# KiCad board USB Cable Tester.kicad_pcb
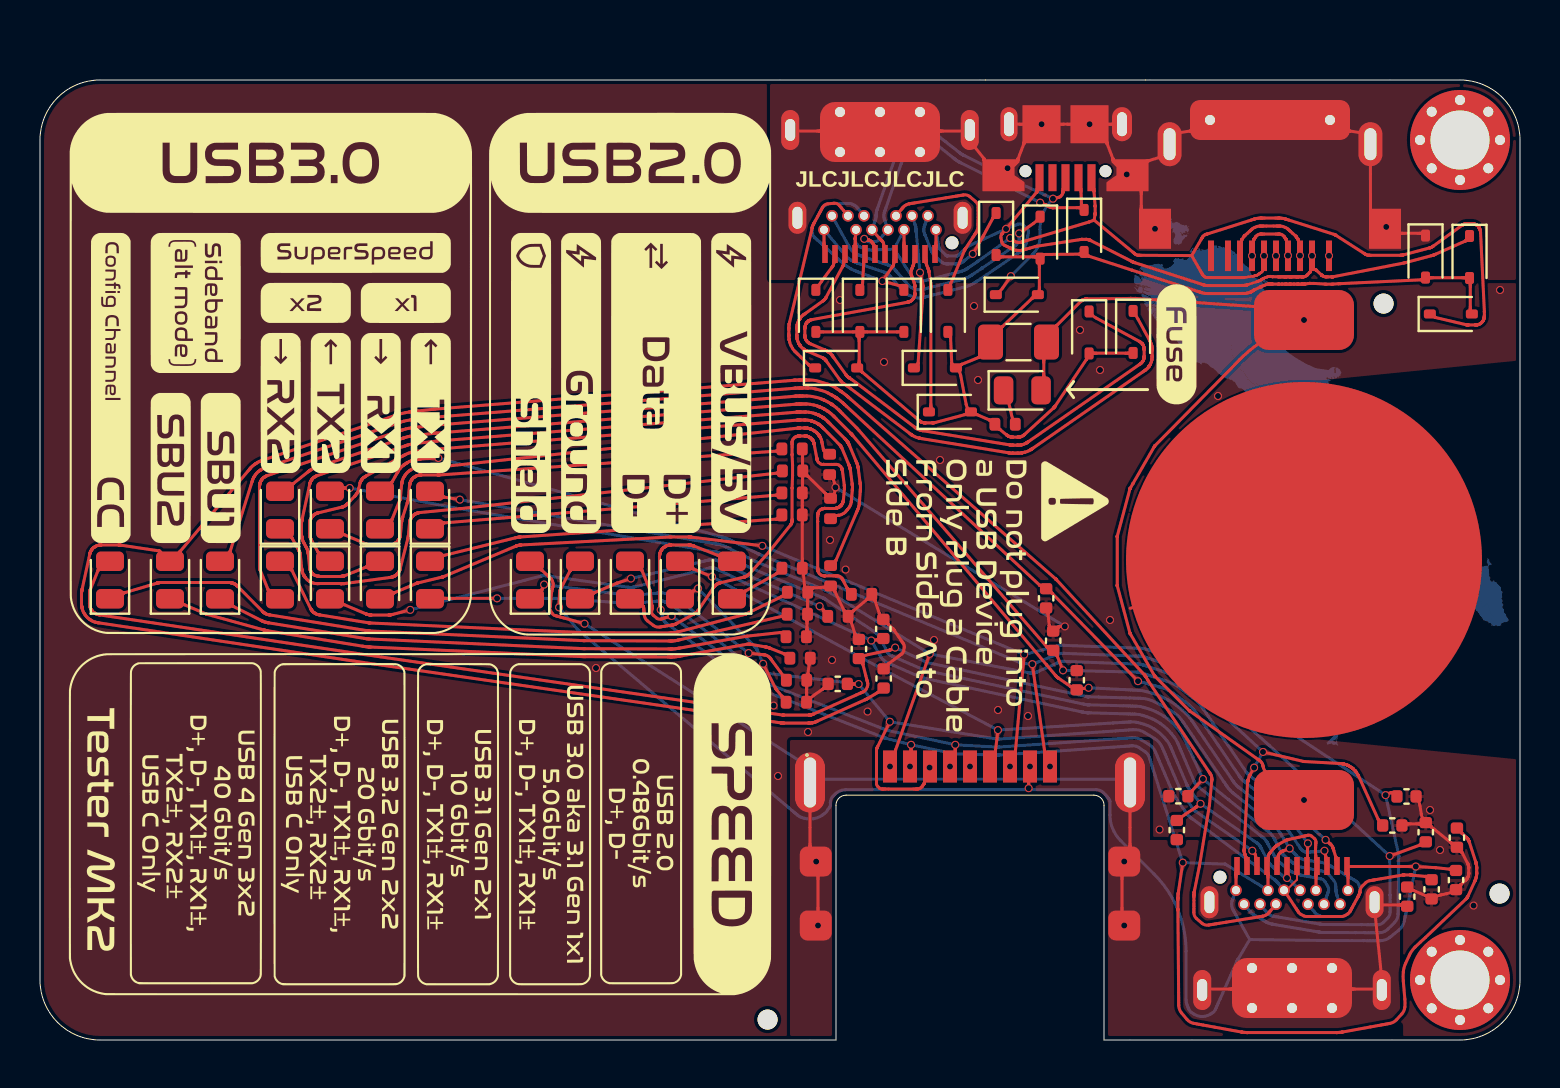
[diagram p0: board, top side]
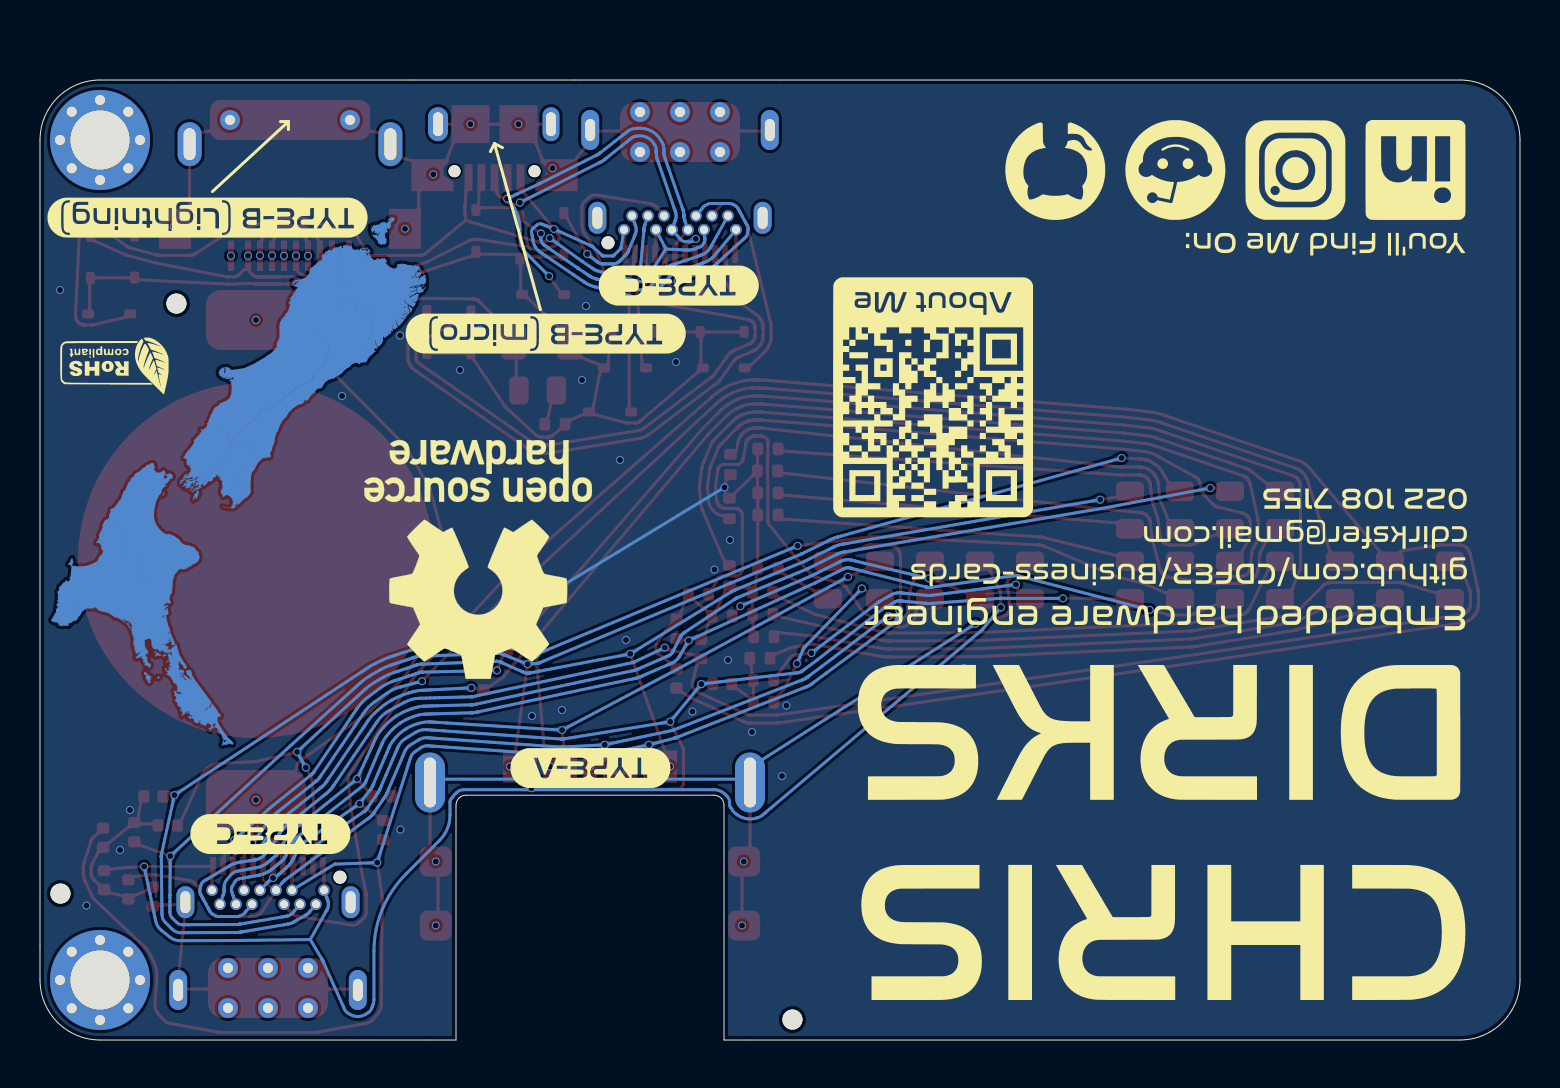
[diagram p1: board, bottom side, seen from below]

Outline 74 x 48 mm; copper layers: Top, Bottom. Coordinates in mm from the lower left corner of the outline.
Outline path: 37,48 3,48 arc(0.88,47.12) 0,45 0,3 arc(0.88,0.88) 3,0 38.5,0 ; 47,48 47.27,48 ; 54.5,0 57.6,0 ; 55.27,48 55.5,48 ; 67.5,48 71,48 arc(73.12,47.12) 74,45 74,3 arc(73.12,0.88) 71,0 67.6,0
Stack: Top 0.035mm / dielectric 0.9mm FR4 er 4.5 / Bottom 0.035mm

## Placement (name value [footprint] x y rotation side)
C6  2uF  [C_0402]  70.85 10.12 270 top
C7  2uF  [C_0402]  70.8 8 270 top
C8  2uF  [C_0402]  68.36 7.17 90 top
C9  2uF  [C_0402]  40.95 19.55 90 top
C10  2uF  [C_0402]  50.31 22.08 270 top
C11  2uF  [C_0402]  42.18 18.08 90 top
C12  2uF  [C_0402]  56.84 10.5 270 top
C13  2uF  [C_0402]  69.58 7.53 270 top
C14  2uF  [C_0402]  67.62 10.73 0 top
C15  2uF  [C_0402]  39.89 17.81 180 top
C16  2uF  [C_0402]  68.32 12.18 0 top
C17  2uF  [C_0402]  69.29 10.39 90 top
C18  2uF  [C_0402]  56.92 12.19 180 top
C19  2uF  [C_0402]  42.17 20.55 90 top
C20  2uF  [C_0402]  50.66 19.96 90 top
C21  2uF  [C_0402]  51.84 17.99 90 top
D1  RB501V-40  [D_SOD-323]  40.99 36.45 270 top
D2  Red  [D_0805]  49.12 32.48 0 top
D5  RB501V-40  [D_SOD-323]  50.01 40.12 270 top
D6  RB501V-40  [D_SOD-323]  47.81 40.3 270 top
D7  RB501V-40  [D_SOD-323]  45.4 36.45 270 top
D9  RB501V-40  [D_SOD-323]  71.48 39.15 270 top
D12  RB501V-40  [D_SOD-323]  38.79 36.45 270 top
D15  RB501V-40  [D_SOD-323]  48.84 37.27 0 top
D17  RB501V-40  [D_SOD-323]  39.81 33.6 0 top
D19  RB501V-40  [D_SOD-323]  70.54 36.3 0 top
D20  RB501V-40  [D_SOD-323]  54.66 35.4 270 top
D21  RB501V-40  [D_SOD-323]  52.46 35.38 270 top
D22  RB501V-40  [D_SOD-323]  45.5 31.41 0 top
D24  Red  [D_0805]  34.6 23 90 top
D25  RB501V-40  [D_SOD-323]  43.19 36.45 270 top
D26  RB501V-40  [D_SOD-323]  69.28 39.17 270 top
D28  RB501V-40  [D_SOD-323]  52.21 40.45 270 top
D29  RB501V-40  [D_SOD-323]  44.75 33.61 0 top
D31  Red  [D_0805]  27 23 90 top
D39  White  [D_0805]  24.5 23 90 top
D40  Red  [D_0805]  3.5 23 90 top
D41  White  [D_0805]  9 23 90 top
D42  White  [D_0805]  6.5 23 90 top
D43  Green  [D_0805]  32 23 90 top
D44  Yellow  [D_0805]  29.5 23 90 top
D45  Green  [D_0805]  19.5 26.5 90 top
D46  Yellow  [D_0805]  19.5 23 270 top
D47  Green  [D_0805]  17 23 270 top
D48  Yellow  [D_0805]  17 26.5 90 top
D49  Green  [D_0805]  14.5 26.5 90 top
D50  Yellow  [D_0805]  14.5 23 270 top
D51  Green  [D_0805]  12 23 270 top
D52  Yellow  [D_0805]  12 26.5 90 top
F1  1.5A Resettable Fuse  [Fuse_1206_3216Metric]  48.93 34.9 0 top
G1  -  [LOGO]  19 24.3 270 top
G2  -  [OSHW-Logo_11.4x12mm_SilkScreen]  52.08 24.02 0 bottom
G3  -  [LOGO]  19.24 24.01 0 bottom
G4  -  [2a925c6f-9d9a-42e5-bba3-c87bcf934251]  72.73 34.93 0 bottom
G5  -  [b07aad6b-b7a4-475e-a623-7c3f2d34af4c]  2.37 4.5 270 top
G20  -  [22d49237-69b2-421c-99c5-7deab8221adf]  45.31 15.46 270 top
G21  -  [bcdcddea-b07c-4985-b864-8dc9c7d82305]  44.41 14.6 0 bottom
G22  -  [9633b3a9-74f7-481d-bf34-9e0c72efc044]  44.98 38.72 0 bottom
G22#2  -  [9633b3a9-74f7-481d-bf34-9e0c72efc044]  65.39 11.3 0 bottom
G25  -  [6e272f88-845d-48b4-9e51-cf3601c89978]  55.59 35.81 0 bottom
G26  -  [3201b061-3758-42df-b4cc-fb8b185e5636]  73.49 41.63 0 bottom
G***  -  [LOGO]  52.18 46.21 270 top
H1  ~  [Hole_Tooling_JLCPCB]  67.18 36.82 0 top
H2  ~  [Hole_Tooling_JLCPCB]  72.98 7.32 0 top
H3  ~  [Hole, 3mm]  71 45 0 top
H4  ~  [Hole, 3mm]  71 3 0 top
H5  ~  [Hole_Tooling_JLCPCB]  36.38 1.02 0 top
J1  USB3_A  [USB-A-SMD_HC-USB3.0-C225-P]  46.5 9.7 0 top
J2  USB_C_Receptacle  [TYPE-C-USB-SMD_QCHT-143]  62.6 5.6 0 top
J3  USB_B_Micro  [USB_Micro-B_XKB_U254-051T-4BH83-F1S]  51.27 45.4 180 top
J4  USB_C_Receptacle  [TYPE-C-USB-SMD_QCHT-143]  42 42.4 180 top
J5  Apple Lightning  [USB-SMD-LIGHTNING_USB-PG]  61.5 42 180 top
NOREF  -  [780ad566-1930-4549-94c7-eea7819adb12]  50.17 24.95 270 top
PN1  ~  [Part_Num_JLCPCB]  4.15 31.23 180 top
R1  1.5kΩ  [R_0402]  48.26 30.79 180 top
R22  1.5kΩ  [R_0402]  37.6 23.59 0 top
R23  1.5kΩ  [R_0402]  39.9 21.18 0 top
R24  680Ω  [R_0402]  37.83 17.99 0 top
R25  1.5kΩ  [R_0402]  37.87 21.29 0 top
R26  680Ω  [R_0402]  37.81 20.16 0 top
R27  680Ω  [R_0402]  38.01 19.09 0 top
R28  2.7kΩ  [R_0402]  37.82 16.89 0 top
R29  1.5kΩ  [R_0402]  41.08 22.28 0 top
R30  2.7kΩ  [R_0402]  37.6 27.35 0 top
R31  1.5kΩ  [R_0402]  37.6 26.25 0 top
R32  2.7kΩ  [R_0402]  39.53 23.21 270 top
R33  1.5kΩ  [R_0402]  39.48 28.78 270 top
R34  2.7kΩ  [R_0402]  37.6 29.55 0 top
R35  1.5kΩ  [R_0402]  39.53 26.57 90 top
R36  2.7kΩ  [R_0402]  37.88 22.39 0 top
R37  1.5kΩ  [R_0402]  37.63 28.45 0 top
U1  CR2032  [BatteryHolder_Keystone_3002_1x2032]  63.2 24 270 top

## Library data of the parts
C6-C21 = -: Datasheet: https://datasheet.lcsc.com/lcsc/1811021410_Samsung-Electro-Mechanics-CL05A225MQ5NSNC_C12530.pdf; Description: 6.3V 2.2uF X5R ±20% 0402 Multilayer Ceramic Capacitors MLCC - SMD/SMT ROHS; LCSC: C12530; Price: 0.005USD; Class: Basic Component; Stock: 2477905; Category: Capacitors,Multilayer Ceramic Capacitors MLCC - SMD/SMT; Manufacturer: Samsung Electro-Mechanics; Manufacturer Part ID: CL05A225MQ5NSNC; Voltage Rated: 6.3V; Tolerance: ±20%; Capacitance: 2.2uF; Temperature Coefficient: X5R; ki_fp_filters: C_*
D1 D5-D7 D9 D12 D15 D17 D19-D22 D25 D26 D28 D29 = -: Description: Diode; Sim.Device: D; Sim.Pins: 1=K 2=A; LCSC: C7502717; ki_fp_filters: TO-???* *_Diode_* *SingleDiode* D_*
D2 D24 D31 D40 = -: Datasheet: https://datasheet.lcsc.com/lcsc/2304140030_Foshan-NationStar-Optoelectronics-NCD0805R1_C84256.pdf; Description: 25mA Colorless transparent lens 67mcd~195mcd -30°C~+85°C 615nm~630nm Individual diode Red 130° 65mW 1.6V~2.6V 0805 LED Indication - Discrete ROHS; LCSC: C84256; Price: 0.014USD; Class: Basic Component; Stock: 1030643; Category: Optoelectronics,Light Emitting Diodes (LED); Manufacturer: Foshan NationStar Optoelectronics; Manufacturer Part ID: NCD0805R1; Operating Temperature: -; Color Temperature: -; Viewing Angle: -; Luminous Flux (@25°C): -; Lamp Holder Type: -; Forward Current: -; Forward Voltage (VF): -; Mounting Sytle: -; Luminous Intensity: -; Dominant Wavelength: -; Power Dissipation: -; Diode Configuration: -; Lens Color: -; Peak Wavelength: -; ki_fp_filters: D_*
D39 D41 D42 = -: Datasheet: https://www.lcsc.com/datasheet/lcsc_datasheet_2305091500_Hubei-KENTO-Elec-KT-0805W_C34499.pdf; Description: 0805 LED Indication - Discrete ROHS; LCSC: C34499; Price: 0.018USD; Class: Basic Component; Stock: 202174; Category: Optocouplers & LEDs & Infrared,Light Emitting Diodes (LED); Manufacturer: Hubei KENTO Elec; Manufacturer Part ID: KT-0805W; ki_fp_filters: D_*
D43 D45 D47 D49 D51 = -: Datasheet: https://www.lcsc.com/datasheet/lcsc_datasheet_1806151820_Hubei-KENTO-Elec-KT-0805G_C2297.pdf; Description: Emerald 0805 LED Indication - Discrete ROHS; LCSC: C2297; Price: 0.013USD; Class: Basic Component; Stock: 1147191; Category: Optoelectronics,Light Emitting Diodes (LED); Manufacturer: Hubei KENTO Elec; Manufacturer Part ID: KT-0805G; ki_fp_filters: D_*
D44 D46 D48 D50 D52 = -: Datasheet: https://www.lcsc.com/datasheet/lcsc_datasheet_1806151129_Hubei-KENTO-Elec-KT-0805Y_C2296.pdf; Description: Yellow 0805 LED Indication - Discrete ROHS; LCSC: C2296; Price: 0.015USD; Class: Basic Component; Stock: 207467; Category: Optocouplers & LEDs & Infrared,Light Emitting Diodes (LED); Manufacturer: Hubei KENTO Elec; Manufacturer Part ID: KT-0805Y; ki_fp_filters: D_*
F1 = -: Description: Resettable fuse, polymeric positive temperature coefficient; LCSC: C2838983; ki_fp_filters: *polyfuse* *PTC*
H1 H2 H5 = -: Datasheet: https://jlcpcb.com/help/article/How-to-add-tooling-holes-for-PCB-assembly-order; Description: 1. Two or three tooling holes should be added on the PCB, they should be placed in opposite corners of the PCB and as far apart from one another as practical. 2. Tooling holes should be 1.152mm(45.4mil) round non-plated holes with 0.148mm solder mask expansion. 3. Tooling holes are only required for PCB assembly orders. 4. Please try to add tooling holes on empty space and keep them away from traces. If there is no enough room, you can add them to the copper area.
J1 = -: Description: USB 3.0 A connector; LCSC: C7501855; Field5: REF**; ki_fp_filters: USB3*
J2 J4 = -: Datasheet: https://www.usb.org/sites/default/files/documents/usb_type-c.zip; Description: USB Full-Featured Type-C Receptacle connector; LCSC: C5156604; Field5: REF**; ki_fp_filters: USB*C*Receptacle*
J3 = -: Description: USB Micro Type B connector; LCSC: C2682231; ki_fp_filters: USB*
J5 = -: Datasheet: https://atta.szlcsc.com/upload/public/pdf/source/20230628/688D1841E9832D0F7C437B07FF9E6382.pdf; LCSC: C2858295; Field5: REF**
PN1 = -: Datasheet: https://jlcpcb.com/help/article/How-to-remove-order-number-from-your-PCB; Description: To indicate the location, simply add the text "JLCJLCJLCJLC" to the silk layer and select the "Specify a location" option when placing your order. Please note that if this option is not chosen, we may not notice that you have added the text.   Note: Use only "JLCJLCJLCJLC" without any additional characters. The font size should be larger than 0.8mm in height and 0.15mm in width.
R1 R22 R23 R25 R29 R31 R33 R35 R37 = -: LCSC: C25867; Price: 0.004USD; Class: Basic Component; ki_fp_filters: R_*
R24 R26 R27 = -: LCSC: C25130; Price: 0.004USD; Class: Basic Component; ki_fp_filters: R_*
R28 R30 R32 R34 R36 = -: LCSC: C3017488; Price: 0.004USD; Class: Basic Component; ki_fp_filters: R_*
U1 = -: Datasheet: https://item.szlcsc.com/71468.html; LCSC: C70373; Field6: REF**

## Footprints (pads in the part's own frame, mm; a bottom-side part is the same pattern mirrored in y, then rotated)
BatteryHolder_Keystone_3002_1x2032
  rrect 3x5 smd: 1(-12,0) 1(12,0)
  round 17.8 smd: 2(0,0)
C_0402
  rrect 0.56x0.62 smd: 1(-0.48,0) 2(0.48,0)
D_0805
  rrect 0.975x1.4 smd: 1(-0.938,0) 2(0.938,0)
D_SOD-323
  rrect 0.6x0.45 smd: 1(-1.05,0) 2(1.05,0)
Fuse_1206_3216Metric
  rrect 1.25x1.75 smd: 1(-1.4,0) 2(1.4,0)
Hole, 3mm
  round 0.6 hole 0.5: 1(-2,0) 1(-1.414,1.414) 1(-1.414,-1.414) 1(0,2) 1(0,-2) 1(1.414,1.414) 1(1.414,-1.414) 1(2,0)
  round 5 hole 2.95: 1(0,0)
Hole_Tooling_JLCPCB
  round 1 hole 1.152 unplated: (0,0)
R_0402
  rrect 0.54x0.64 smd: 1(-0.51,0) 2(0.51,0)
TYPE-C-USB-SMD_QCHT-143
  round 0.65 hole 0.65 unplated: (-3.6,2.54)
  rect 0.28x0.9 smd: A1(-2.75,3.1) A2(-2.25,3.1) A3(-1.75,3.1) A4(-1.25,3.1) A5(-0.75,3.1) A6(-0.25,3.1) A7(0.25,3.1) A8(0.75,3.1) A9(1.25,3.1) A10(1.75,3.1) A11(2.25,3.1) A12(2.75,3.1)
  round 0.58 hole 0.4: B1(2.8,1.89) B2(2.4,1.19) B3(1.6,1.19) B4(1.2,1.89) B5(0.8,1.19) B6(0.4,1.89) B7(-0.4,1.89) B8(-0.8,1.19) B9(-1.2,1.89) B10(-1.6,1.19) B11(-2.4,1.19) B12(-2.8,1.89)
  oval 0.9x2 hole 0.5x1.1: S1(-4.49,-3.1) S1(4.49,-3.1)
  oval 0.9x1.6 hole 0.5x1.1: S1(-4.13,1.29) S1(4.13,1.29)
  round 1 hole 0.5: S1(-2,-2) S1(-2,-4) S1(0,-2) S1(0,-4) S1(2,-2) S1(2,-4)
  rrect 6x3 smd: S1(0,-3)
USB-A-SMD_HC-USB3.0-C225-P
  rect 0.7x1.6 smd: 1(-3,3.975) 2(-1,3.975) 3(1,3.975) 4(3,3.975) 5(4,3.975) 6(2,3.975) 7(0,3.975) 8(-2,3.975) 9(-4,3.975)
  oval 1.5x3 hole 0.61x2.5: 10(-8,3.175) 10(8,3.175)
  rrect 1.6x1.5 smd: 10(-7.71,-0.775) 10(-7.71,-3.975) 10(7.71,-0.775) 10(7.71,-3.975)
USB-SMD-LIGHTNING_USB-PG
  rect 0.3x1.524 smd: 1(-2.95,2.79) 2(-2.1,2.79) 3(-1.5,2.79) 4(-0.9,2.79) 5(-0.3,2.79) 6(0.3,2.79) 7(0.9,2.79) 8(1.5,2.79) 9(2.1,2.79) 10(2.95,2.79)
  rect 1.6x2 smd: 11(-5.75,1.44) 12(5.75,1.44)
  round 1 hole 0.5: 13(-3,-4) 13(3,-4)
  rrect 8x2 smd: 13(0,-4)
  oval 1.2x2.2 hole 0.6x1.6: 13(5.02,-2.79) 14(-5.02,-2.79)
USB_Micro-B_XKB_U254-051T-4BH83-F1S
  round 0.6 hole 0.6 unplated: (-2,1.96) (2,1.96)
  rect 0.4x1.35 smd: 1(-1.3,2.285) 2(-0.65,2.285) 3(0,2.285) 4(0.65,2.285) 5(1.3,2.285)
  custom 2.1x1.6 smd: 6(-3.1,2.16) 6(3.1,2.16)
  oval 1x1.7 hole 0.5x1.2: 6(-2.825,-0.39)
  rect 1.9x1.9 smd: 6(-1.2,-0.39) 6(1.2,-0.39)
  oval 0.85x1.7 hole 0.5x1.2: 6(2.825,-0.39)

## Nets
+3V0: D1.2 D5.2 D6.2 D7.2 D9.2 D12.2 D15.2 D17.2 D19.2 D20.2 D21.2 D22.2 D25.2 D26.2 D28.2 D29.2 F1.1 R1.2
/VBUS: C6.1 D24.2 J1.1 J2.A4 J2.A9 J2.B4 J2.B9
GND: C6.2 C7.2 C8.2 C9.2 C10.2 C11.2 C12.2 C13.2 C14.2 C15.2 C16.2 C17.2 C18.2 C19.2 C20.2 C21.2 R22.2 R23.2 R24.2 R25.2 R26.2 R27.2 R28.2 R29.2 R30.2 R31.2 R32.2 R33.2 R34.2 R35.2 R36.2 R37.2 U1.2
/CC: C9.1 D40.2 J2.A5 J2.B5
/D+: C12.1 D43.2 J1.3 J2.A6 J2.B6
/D-: C13.1 D44.2 J1.2 J2.A7 J2.B7
/RX1+: C16.1 D47.2 J1.6 J2.B11
/RX1-: C17.1 D48.2 J1.5 J2.B10
/RX2+: C20.1 D51.2 J2.A11
/RX2-: C21.1 D52.2 J2.A10
/SBU1: C10.1 D41.2 J2.A8
/SBU2: C11.1 D42.2 J2.B8
/SHLD: C8.1 D39.2 J1.10 J2.S1
/TX1+: C14.1 D45.2 J1.9 J2.A2
/TX1-: C15.1 D46.2 J1.8 J2.A3
/TX2+: C18.1 D49.2 J2.B2
/TX2-: C19.1 D50.2 J2.B3
/USB_GND: C7.1 D31.2 J1.4 J2.A1 J2.A12 J2.B1 J2.B12
Net-(D1-K): D1.1 J4.A8
Net-(D2-Pad1): D2.1 R1.1
Net-(D2-Pad2): D2.2 F1.2 U1.1
Net-(D5-K): D5.1 J4.B2
Net-(D6-K): D6.1 J4.B11
Net-(D7-K): D7.1 J4.B8
Net-(D9-K): D9.1 J3.5 J4.A1 J4.A12 J4.B1 J4.B12 J5.2
Net-(D12-K): D12.1 J4.A11
Net-(D15-K): D15.1 J3.3 J4.A6 J4.B6
Net-(D17-K): D17.1 J4.B3
Net-(D19-K): D19.1 J3.1 J4.A4 J4.A9 J4.B4 J4.B9 J5.6
Net-(D20-K): D20.1 J4.A10
Net-(D21-K): D21.1 J4.A3
Net-(D22-K): D22.1 J4.A2
Net-(D24-Pad1): D24.1 R22.1
Net-(D25-K): D25.1 J4.A5 J4.B5
Net-(D26-K): D26.1 J3.6 J4.S1 J5.11 J5.12 J5.13 J5.14
Net-(D28-K): D28.1 J3.2 J4.A7 J4.B7
Net-(D29-K): D29.1 J4.B10
Net-(D31-Pad1): D31.1 R23.1
Net-(D39-Pad1): D39.1 R24.1
Net-(D40-Pad1): D40.1 R25.1
Net-(D41-Pad1): D41.1 R26.1
Net-(D42-Pad1): D42.1 R27.1
Net-(D43-Pad1): D43.1 R28.1
Net-(D44-Pad1): D44.1 R29.1
Net-(D45-Pad1): D45.1 R30.1
Net-(D46-Pad1): D46.1 R31.1
Net-(D47-Pad1): D47.1 R32.1
Net-(D48-Pad1): D48.1 R33.1
Net-(D49-Pad1): D49.1 R34.1
Net-(D50-Pad1): D50.1 R35.1
Net-(D51-Pad1): D51.1 R36.1
Net-(D52-Pad1): D52.1 R37.1
Net-(J5-DN1): J5.4 J5.7
Net-(J5-DP1): J5.3 J5.8

Pads without a net: H3 1; H4 1; J1 7; J3 4; J5 1 5 9 10

## Via types
v1: diameter 0.4, hole 0.3, Top to Bottom, 110 vias

## Routing (per net, layer and track width the routed paths; a pad name or vN(x,y) marks a point on that pad's centre or on a via; arc(x,y) is an arc through that point)
+3V0: length 61.3
  Top w0.15: D7.2 45.53,35.11 arc(45.53,35.11) 45.53,35.11 arc(45.53,35.11) 45.53,35.1 45.59,33.83 arc(45.59,33.83) 45.59,33.83 arc(45.59,33.83) 45.59,33.83 D29.2 ; D1.2 40.84,35.4 40.62,35.4 39.09,35.4 D12.2 ; D1.2 41.14,35.4 41.37,35.4 42.89,35.4 D25.2 ; D1.2 40.96,35.22 arc(40.96,35.18) 40.96,35.14 40.96,33.79 arc(40.95,33.76) 40.94,33.72 40.91,33.68 arc(40.89,33.61) 40.93,33.55 41.11,33.4 arc(41.11,33.4) 41.11,33.4 arc(41.11,33.4) 41.11,33.4 arc(41.11,33.4) 41.11,33.39 43.97,30.96 arc(43.98,30.96) 43.98,30.96 43.99,30.95 arc(43.99,30.95) 44,30.94 arc(44,30.94) 44,30.94 44.02,30.93 arc(44.02,30.93) 44.02,30.93 44.05,30.91 arc(44.06,30.9) 44.08,30.89 44.11,30.88 arc(44.12,30.88) 44.14,30.87 arc(44.15,30.87) 44.17,30.87 44.2,30.86 arc(44.21,30.86) 44.22,30.86 44.24,30.86 arc(44.24,30.85) 44.25,30.85 44.64,30.85 arc(44.65,30.85) 44.66,30.86 44.67,30.86 arc(44.68,30.86) 44.69,30.86 arc(44.7,30.86) 44.71,30.86 44.73,30.87 arc(44.74,30.87) 44.75,30.87 arc(44.76,30.87) 44.77,30.88 46.25,31.27 arc(46.25,31.27) 46.25,31.27 D22.2 ; D6.2 47.92,39.18 arc(47.96,39.16) 47.99,39.16 49.82,39.16 arc(49.85,39.15) 49.89,39.14 D5.2 ; D29.2 45.9,33.49 arc(45.98,33.37) 46.03,33.23 46.31,31.78 arc(46.36,31.64) 46.44,31.52 D22.2 ; D29.2 46.07,33.78 arc(46.07,33.78) 46.08,33.78 arc(46.08,33.78) 46.08,33.78 arc(46.08,33.78) 46.08,33.78 46.93,34.13 arc(46.94,34.13) 46.94,34.13 46.94,34.13 arc(46.94,34.13) 46.94,34.13 arc(46.95,34.14) 46.95,34.14 F1.1 48.1,35.66 arc(48.1,35.66) 48.11,35.66 arc(48.11,35.66) 48.11,35.66 48.11,35.66 arc(48.11,35.66) 48.11,35.67 49.61,37.09 arc(49.61,37.09) 49.61,37.09 arc(49.61,37.09) 49.61,37.09 arc(49.61,37.09) 49.61,37.09 49.82,37.22 arc(49.88,37.27) 49.93,37.34 49.95,37.38 arc(49.96,37.42) 49.97,37.45 49.97,38.8 arc(49.97,38.84) 49.97,38.88 D5.2 ; D22.2 46.84,31.27 arc(46.84,31.27) 46.84,31.27 46.85,31.27 arc(46.85,31.27) 46.85,31.27 47.47,31 arc(47.48,31) 47.48,31 47.48,31 arc(47.48,31) 47.48,31 47.61,30.89 arc(47.74,30.78) 47.86,30.66 47.99,30.53 arc(47.99,30.53) 47.99,30.53 arc(47.99,30.53) 47.99,30.53 48.33,30.26 arc(48.33,30.25) 48.33,30.25 arc(48.34,30.25) 48.34,30.25 48.34,30.24 arc(48.35,30.24) 48.35,30.24 arc(48.35,30.24) 48.36,30.23 48.38,30.22 arc(48.38,30.22) 48.38,30.22 48.41,30.2 arc(48.43,30.19) 48.44,30.18 48.47,30.17 arc(48.48,30.16) 48.5,30.16 arc(48.52,30.16) 48.53,30.15 48.58,30.15 arc(48.58,30.14) 48.59,30.14 48.61,30.14 arc(48.61,30.14) 48.62,30.14 48.91,30.14 arc(48.92,30.14) 48.92,30.14 48.94,30.14 arc(48.95,30.14) 48.96,30.15 49.03,30.16 arc(49.05,30.16) 49.06,30.17 49.09,30.18 arc(49.11,30.19) 49.12,30.2 arc(49.13,30.21) 49.15,30.22 49.17,30.23 arc(49.18,30.24) 49.18,30.24 arc(49.19,30.24) 49.19,30.25 49.2,30.25 arc(49.21,30.26) 49.21,30.26 49.23,30.28 50.7,31.62 arc(50.7,31.63) 50.71,31.63 50.72,31.65 arc(50.73,31.66) 50.74,31.66 50.76,31.7 52.32,34.02 arc(52.32,34.02) 52.32,34.03 52.32,34.03 arc(52.32,34.03) 52.32,34.03 52.42,34.26 arc(52.47,34.31) 52.53,34.33 52.57,34.34 arc(52.61,34.34) 52.64,34.34 54.47,34.34 arc(54.5,34.34) 54.54,34.34 D20.2 ; D5.2 50.23,39.28 arc(50.23,39.28) 50.23,39.28 arc(50.23,39.28) 50.23,39.28 51.98,39.29 52.02,39.29 arc(52.05,39.3) 52.08,39.31 52.13,39.35 arc(52.2,39.37) 52.27,39.34 52.43,39.2 arc(52.43,39.2) 52.43,39.2 54.6,38.49 arc(54.6,38.49) 54.6,38.49 arc(54.6,38.49) 54.61,38.49 57.89,37.43 58.1,37.36 arc(58.14,37.35) 58.18,37.34 58.27,37.33 arc(58.31,37.32) 58.36,37.32 59.84,37.32 arc(59.85,37.32) 59.86,37.32 arc(59.87,37.32) 59.88,37.32 60.26,37.33 arc(60.3,37.33) 60.34,37.34 60.41,37.35 arc(60.45,37.36) 60.49,37.38 60.52,37.39 arc(60.52,37.39) 60.53,37.39 arc(60.53,37.39) 60.53,37.4 60.54,37.4 arc(60.55,37.4) 60.56,37.41 60.57,37.42 arc(60.58,37.42) 60.59,37.43 60.67,37.48 arc(60.68,37.49) 60.68,37.49 arc(60.69,37.49) 60.69,37.5 60.7,37.5 arc(60.71,37.51) 60.72,37.51 61.03,37.65 arc(61.03,37.65) 61.03,37.66 arc(61.03,37.66) 61.03,37.66 61.04,37.66 arc(61.04,37.66) 61.04,37.66 arc(61.04,37.66) 61.05,37.66 61.05,37.66 arc(61.05,37.66) 61.05,37.67 61.07,37.67 arc(61.09,37.68) 61.11,37.69 61.19,37.72 arc(61.19,37.73) 61.2,37.73 arc(61.21,37.73) 61.21,37.73 61.33,37.78 arc(61.34,37.78) 61.36,37.79 arc(61.37,37.79) 61.38,37.79 61.41,37.8 arc(61.42,37.8) 61.43,37.8 61.51,37.8 arc(61.52,37.8) 61.52,37.8 arc(61.53,37.8) 61.53,37.8 61.54,37.8 arc(61.55,37.8) 61.56,37.8 61.57,37.8 arc(61.57,37.8) 61.57,37.8 61.58,37.8 arc(61.59,37.8) 61.6,37.8 61.61,37.8 arc(61.62,37.8) 61.63,37.8 arc(61.64,37.8) 61.65,37.8 61.91,37.79 arc(61.92,37.79) 61.92,37.79 61.94,37.79 arc(61.95,37.79) 61.96,37.79 arc(61.97,37.79) 61.98,37.79 62.08,37.8 arc(62.09,37.8) 62.1,37.8 arc(62.11,37.8) 62.12,37.8 62.22,37.79 arc(62.23,37.79) 62.24,37.79 arc(62.25,37.79) 62.27,37.79 62.28,37.79 arc(62.29,37.79) 62.29,37.79 arc(62.29,37.79) 62.29,37.79 62.32,37.79 arc(62.32,37.79) 62.32,37.79 62.48,37.79 arc(62.48,37.79) 62.48,37.79 62.51,37.79 arc(62.51,37.79) 62.51,37.79 arc(62.51,37.79) 62.52,37.79 62.53,37.79 arc(62.55,37.79) 62.56,37.79 arc(62.57,37.79) 62.58,37.79 62.68,37.8 arc(62.69,37.8) 62.7,37.8 arc(62.71,37.8) 62.72,37.8 62.82,37.79 arc(62.83,37.79) 62.84,37.79 arc(62.85,37.79) 62.87,37.79 62.88,37.79 arc(62.89,37.79) 62.89,37.79 arc(62.89,37.79) 62.89,37.79 62.92,37.79 arc(62.92,37.79) 62.92,37.79 63.08,37.79 arc(63.08,37.79) 63.08,37.79 63.11,37.79 arc(63.11,37.79) 63.11,37.79 arc(63.11,37.79) 63.12,37.79 63.16,37.79 arc(63.17,37.79) 63.18,37.79 63.2,37.79 arc(63.21,37.8) 63.22,37.8 63.45,37.83 arc(63.46,37.83) 63.46,37.83 63.47,37.83 arc(63.48,37.83) 63.48,37.83 63.7,37.83 arc(63.71,37.83) 63.72,37.83 arc(63.73,37.83) 63.74,37.83 64.24,37.8 arc(64.26,37.79) 64.28,37.79 arc(64.3,37.79) 64.32,37.79 64.58,37.79 arc(64.6,37.79) 64.62,37.79 arc(64.64,37.79) 64.67,37.8 64.93,37.81 arc(64.93,37.81) 64.93,37.81 arc(64.93,37.81) 64.93,37.81 65.01,37.82 arc(65.01,37.82) 65.01,37.82 arc(65.01,37.82) 65.01,37.82 69.05,38.01 arc(69.05,38.01) 69.05,38.01 arc(69.05,38.01) 69.05,38.01 69.09,38.01 arc(69.12,38.01) 69.16,38.03 69.22,38.08 arc(69.28,38.11) 69.35,38.12 69.39,38.11 arc(69.43,38.11) 69.46,38.11 71.29,38.11 arc(71.33,38.11) 71.36,38.11 71.4,38.11 arc(71.46,38.08) 71.49,38.03 71.51,37.91 arc(71.51,37.88) 71.51,37.84 71.51,36.49 arc(71.52,36.45) 71.53,36.42 D19.2
/VBUS: length 81.9
  Top w0.15: v1(57.14,8.87) 56.91,7.3 arc(56.9,7.27) 56.9,7.24 56.9,7.19 arc(56.9,7.16) 56.89,7.13 56.89,6.55 arc(56.89,6.54) 56.89,6.53 56.9,6.5 56.94,1.89 56.94,1.73 arc(56.97,1.53) 57.07,1.36 57.35,1.03 arc(57.5,0.9) 57.69,0.83 58.73,0.64 60.06,0.4 arc(60.07,0.4) 60.07,0.4 arc(60.08,0.4) 60.09,0.4 60.1,0.39 arc(60.11,0.39) 60.12,0.39 arc(60.12,0.39) 60.13,0.39 60.29,0.37 arc(60.29,0.37) 60.3,0.37 60.32,0.37 arc(60.33,0.37) 60.34,0.37 64.86,0.37 arc(64.87,0.37) 64.88,0.37 64.9,0.37 arc(64.91,0.37) 64.91,0.37 65.07,0.39 arc(65.08,0.39) 65.08,0.39 arc(65.09,0.39) 65.1,0.39 65.11,0.4 arc(65.12,0.4) 65.13,0.4 arc(65.13,0.4) 65.14,0.4 67.5,0.83 arc(67.67,0.89) 67.82,1.01 68.09,1.3 arc(68.19,1.46) 68.24,1.65 arc(68.25,1.84) 68.24,2.04 68.16,2.95 arc(68.16,3.18) 68.17,3.4 arc(68.2,3.62) 68.28,3.84 68.47,4.25 arc(68.58,4.44) 68.73,4.62 68.77,4.66 arc(68.89,4.78) 69.02,4.89 arc(69.14,5.01) 69.27,5.12 71.3,7.04 arc(71.3,7.05) 71.31,7.06 arc(71.31,7.06) 71.32,7.07 71.33,7.08 arc(71.33,7.08) 71.34,7.09 71.37,7.14 arc(71.37,7.14) 71.37,7.15 arc(71.38,7.15) 71.38,7.16 71.39,7.17 arc(71.39,7.18) 71.39,7.18 arc(71.4,7.19) 71.4,7.19 71.77,8 arc(71.78,8.02) 71.78,8.04 71.8,8.08 arc(71.8,8.1) 71.81,8.12 71.83,8.21 arc(71.83,8.23) 71.83,8.25 71.83,8.28 arc(71.84,8.3) 71.84,8.32 71.84,8.63 arc(71.84,8.65) 71.83,8.67 71.83,8.71 arc(71.83,8.72) 71.83,8.74 71.81,8.82 arc(71.81,8.83) 71.8,8.84 71.8,8.86 arc(71.8,8.87) 71.79,8.88 71.78,8.93 71.45,9.94 arc(71.45,9.95) 71.44,9.96 71.43,9.98 arc(71.43,9.99) 71.42,10 71.38,10.06 arc(71.38,10.07) 71.37,10.08 71.36,10.09 arc(71.35,10.1) 71.34,10.11 71.1,10.34 arc(71.1,10.34) 71.09,10.34 71.09,10.34 C6.1 ; v1(43.5,13.67) 43.55,14.36 arc(43.55,14.4) 43.55,14.44 v1(43.55,14.76) ; D24.2 33.91,24.23 arc(33.91,24.23) 33.91,24.23 33.9,24.23 arc(33.9,24.23) 33.9,24.23 32.66,24.71 arc(32.65,24.72) 32.65,24.72 32.63,24.72 arc(32.63,24.72) 32.62,24.72 32.51,24.75 arc(32.5,24.75) 32.5,24.75 32.48,24.75 arc(32.47,24.75) 32.46,24.75 31.54,24.75 arc(31.53,24.75) 31.52,24.75 31.5,24.75 arc(31.5,24.75) 31.49,24.75 31.37,24.72 arc(31.36,24.72) 31.34,24.71 31.31,24.7 arc(31.3,24.69) 31.28,24.69 31.18,24.62 arc(31.16,24.61) 31.15,24.6 31.13,24.57 arc(31.12,24.56) 31.11,24.55 31.04,24.44 arc(31.03,24.43) 31.02,24.41 31.01,24.38 arc(31.01,24.37) 31,24.35 30.98,24.24 arc(30.98,24.23) 30.98,24.22 30.97,24.21 arc(30.97,24.2) 30.97,24.19 30.97,21.98 arc(30.97,21.98) 30.97,21.97 arc(30.97,21.96) 30.97,21.96 30.98,21.8 arc(30.98,21.8) 30.98,21.79 30.98,21.78 arc(30.98,21.78) 30.98,21.77 31,21.68 arc(31,21.67) 31,21.66 arc(31,21.66) 31,21.65 v1(31.04,21.51) ; J2.B9 61.4,8.29 arc(61.4,8.32) 61.39,8.36 61.37,8.51 arc(61.36,8.7) 61.38,8.89 61.41,9.04 arc(61.41,9.08) 61.42,9.11 61.42,9.18 arc(61.42,9.2) 61.42,9.23 61.44,9.27 arc(61.45,9.3) 61.47,9.32 61.67,9.57 arc(61.69,9.58) 61.7,9.6 arc(61.71,9.61) 61.73,9.63 61.76,9.66 arc(61.77,9.67) 61.79,9.68 61.84,9.72 arc(61.85,9.73) 61.86,9.74 arc(61.87,9.74) 61.88,9.75 61.9,9.76 arc(61.91,9.77) 61.92,9.78 arc(61.93,9.78) 61.94,9.79 62.25,9.96 arc(62.26,9.97) 62.28,9.98 arc(62.29,9.98) 62.31,9.99 62.34,10 arc(62.35,10.01) 62.37,10.01 62.45,10.03 63.41,10.24 arc(63.5,10.24) 63.58,10.2 63.73,10.07 arc(63.78,10) 63.8,9.91 63.77,9.48 arc(63.77,9.47) 63.77,9.47 63.77,9.45 arc(63.77,9.45) 63.77,9.44 arc(63.77,9.43) 63.77,9.43 63.79,9.21 arc(63.79,9.19) 63.79,9.17 arc(63.79,9.15) 63.79,9.13 63.79,9.11 arc(63.79,9.08) 63.8,9.04 63.82,8.89 arc(63.84,8.7) 63.82,8.51 63.8,8.36 arc(63.8,8.32) 63.8,8.29 J2.B4